# Altium PCB Cyber_VCM_Board.PcbDoc
Units mil, origin at the board's own origin, x right, y up, seen from the top; angles counter-clockwise.
Board outline 1775 x 2050 mil, 4 copper layers (Top Layer, GND02, PWR03, Bottom Layer), stack 74.148 mil thick; 109 components, 90 nets, 529 pads, 159 vias.
Unrouted connection lines stored in the file: 27.
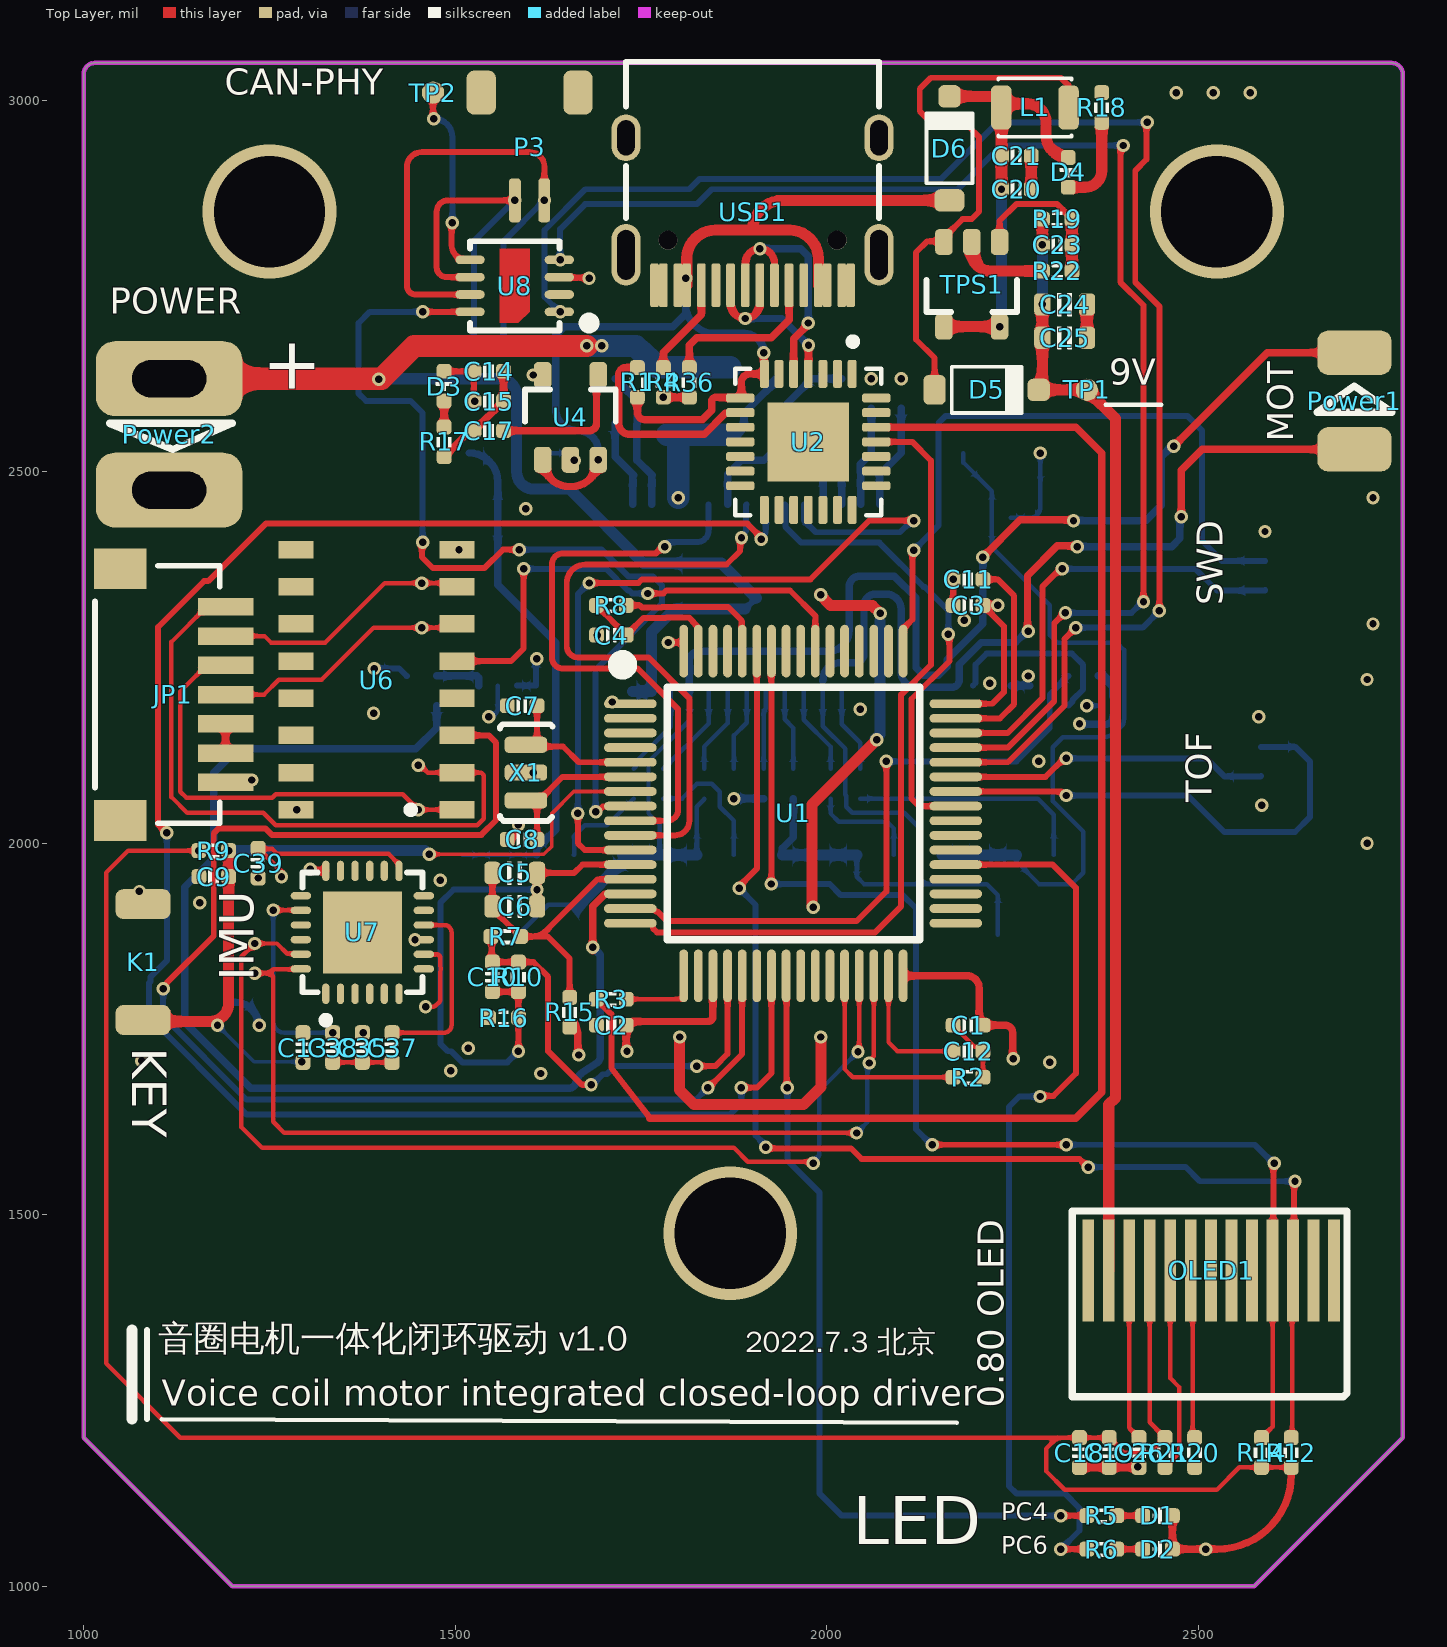
[diagram p0: Top Layer view]
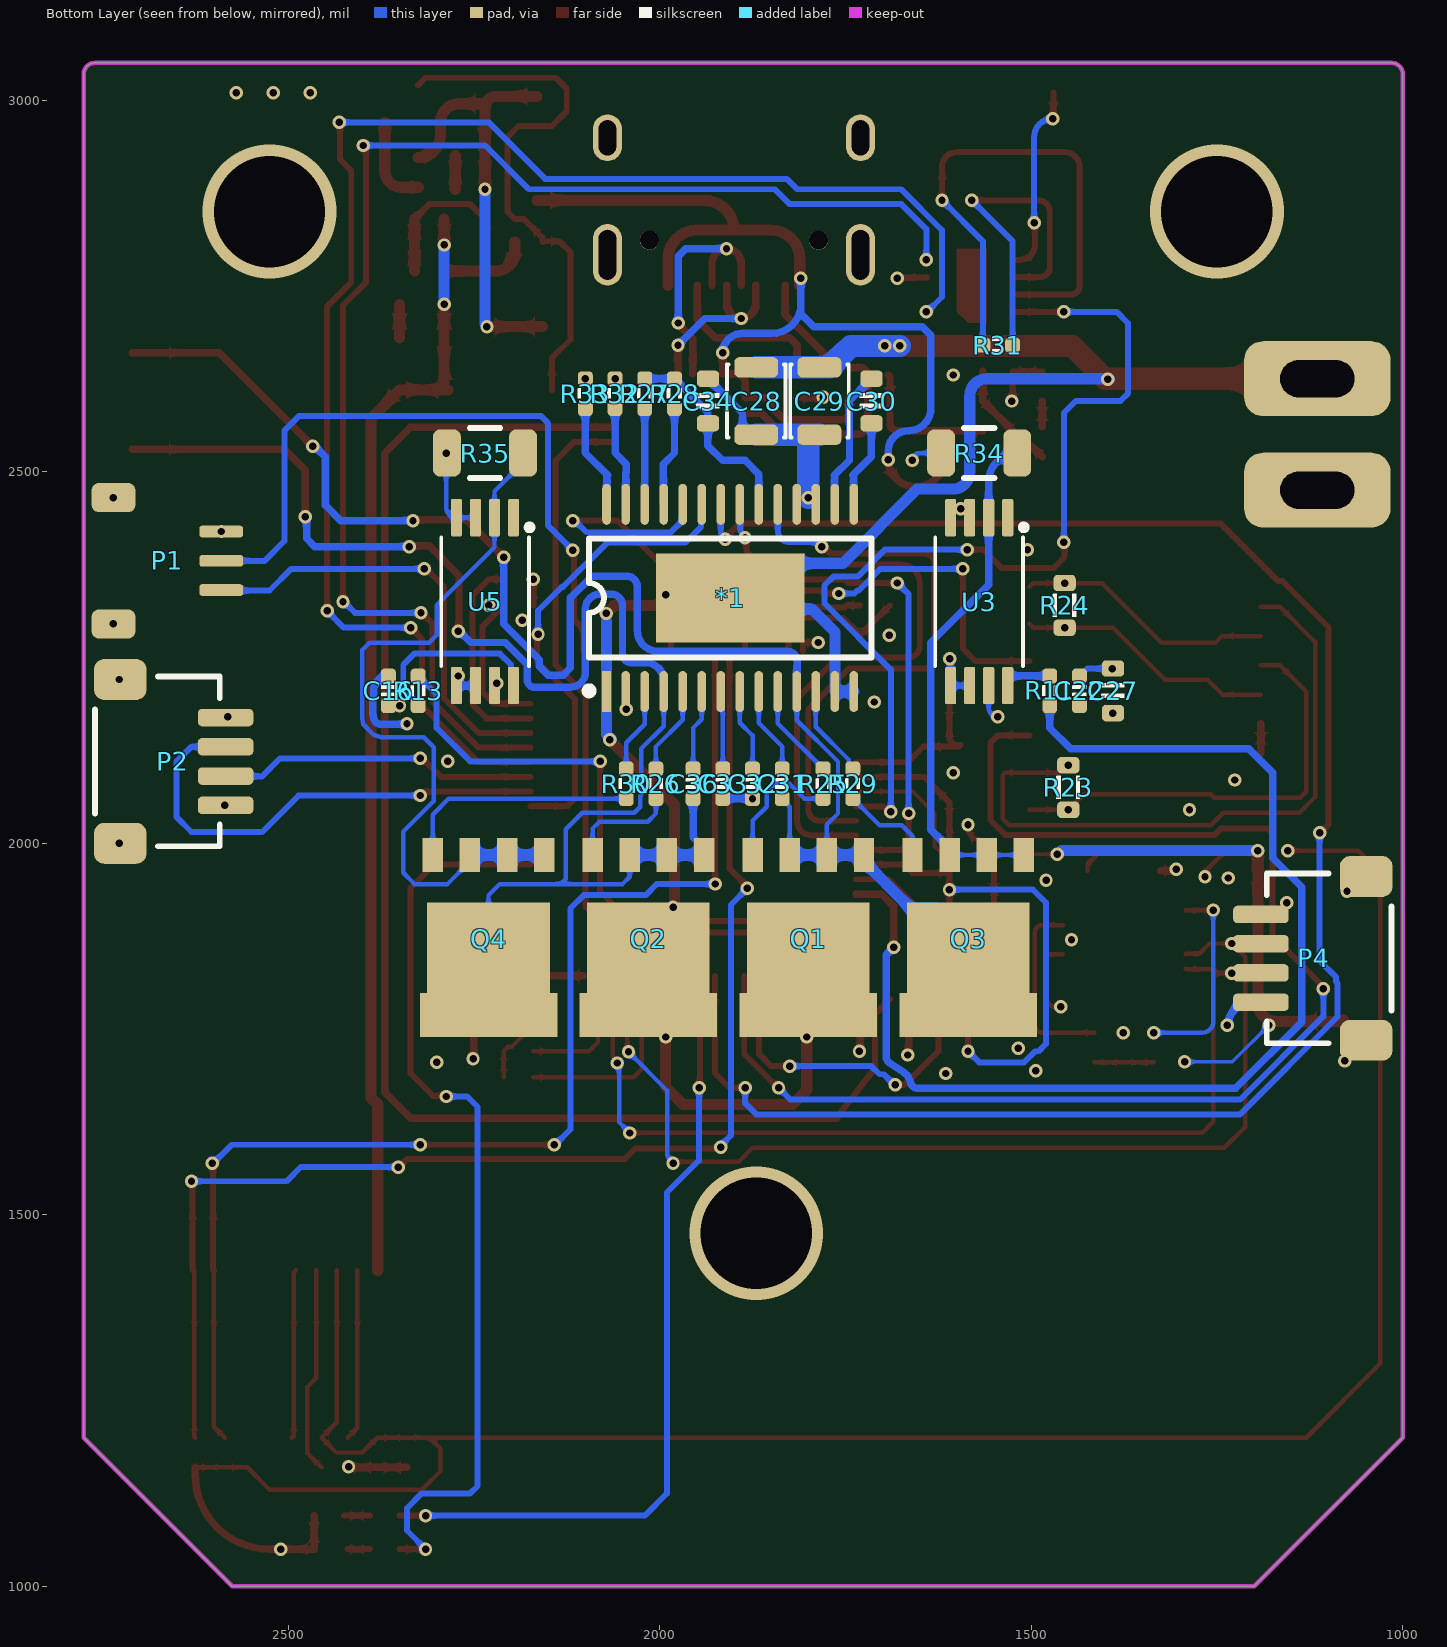
[diagram p1: Bottom Layer view, seen from below]
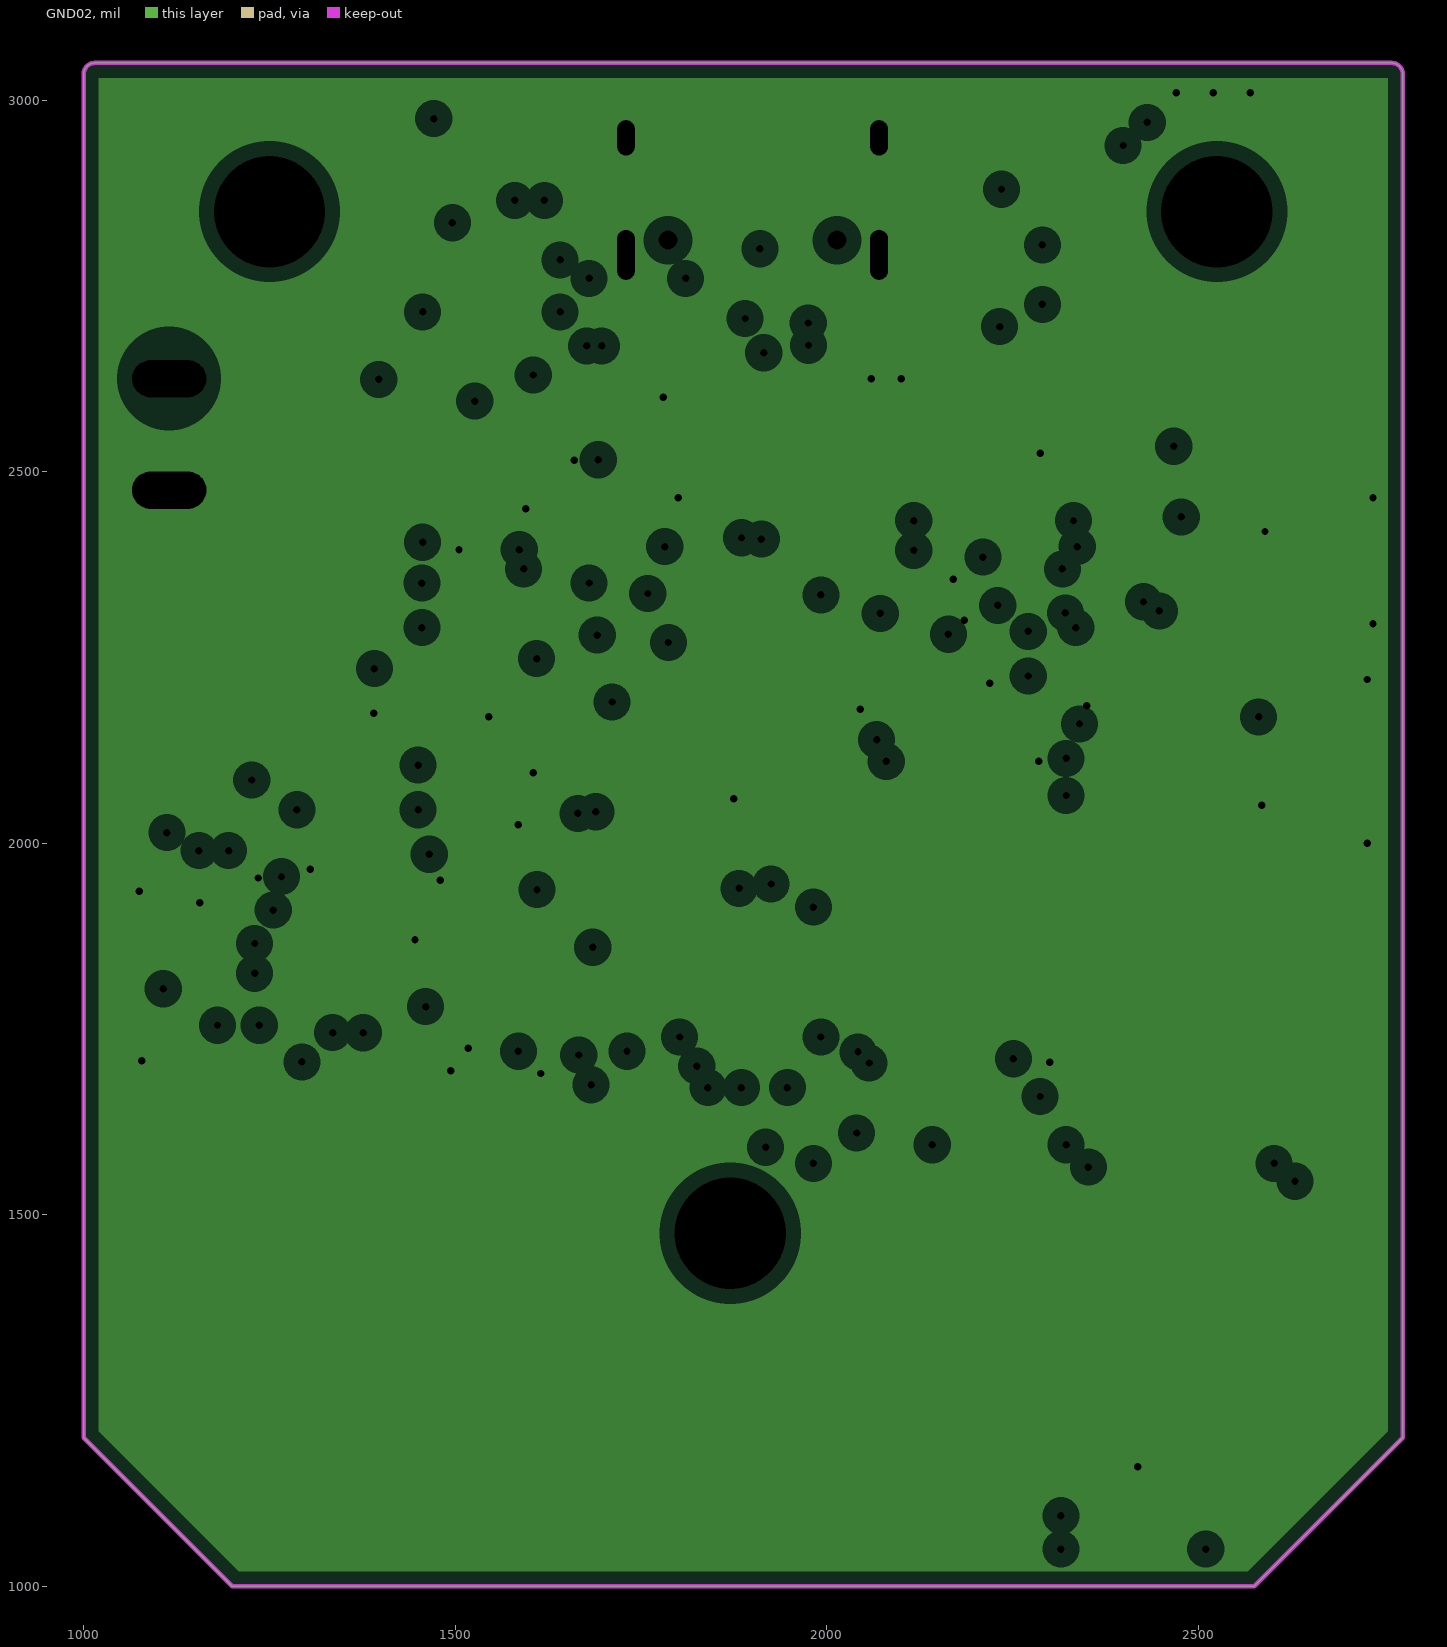
[diagram p2: GND02, clearances drawn from the general rule]
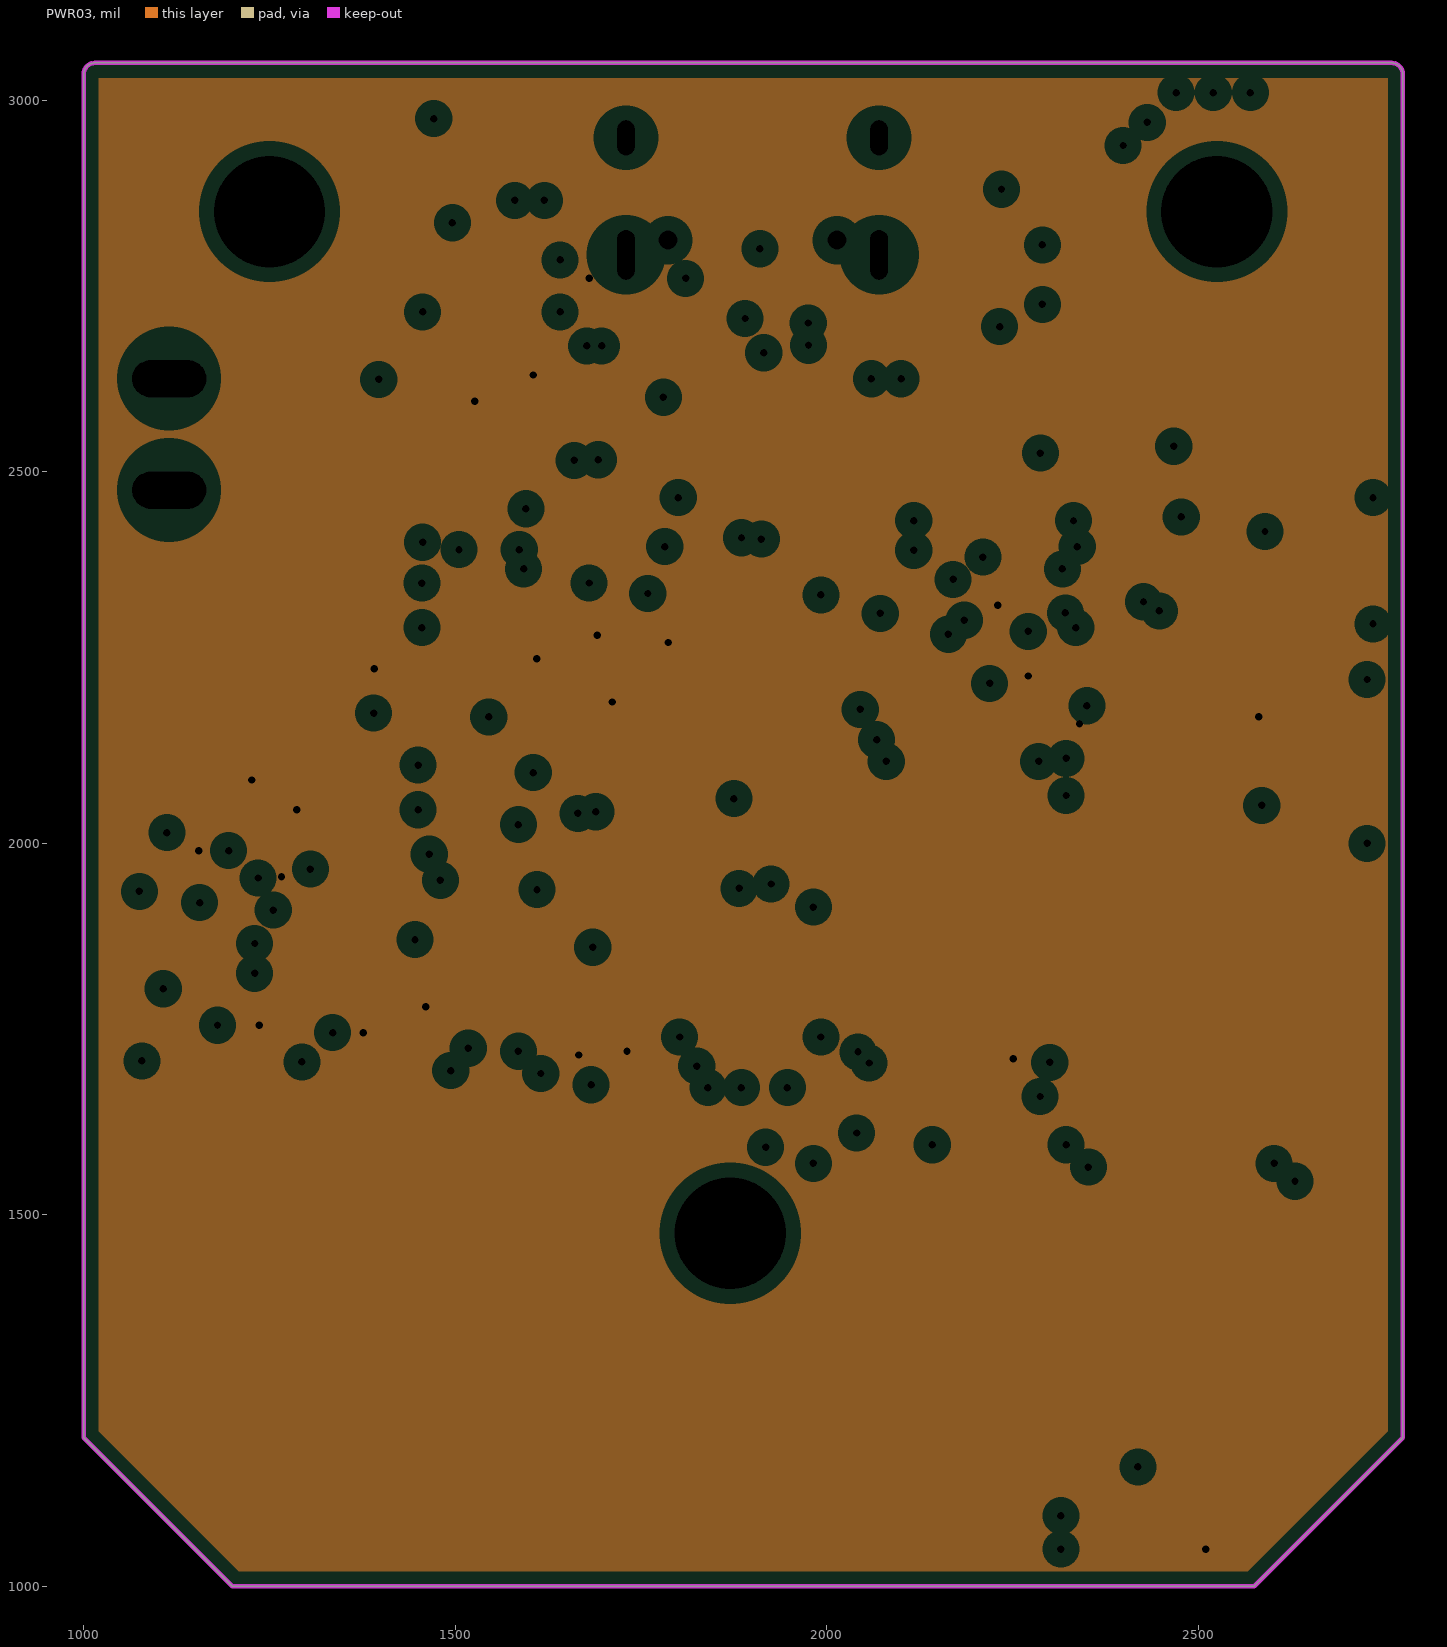
[diagram p3: PWR03, clearances drawn from the general rule]
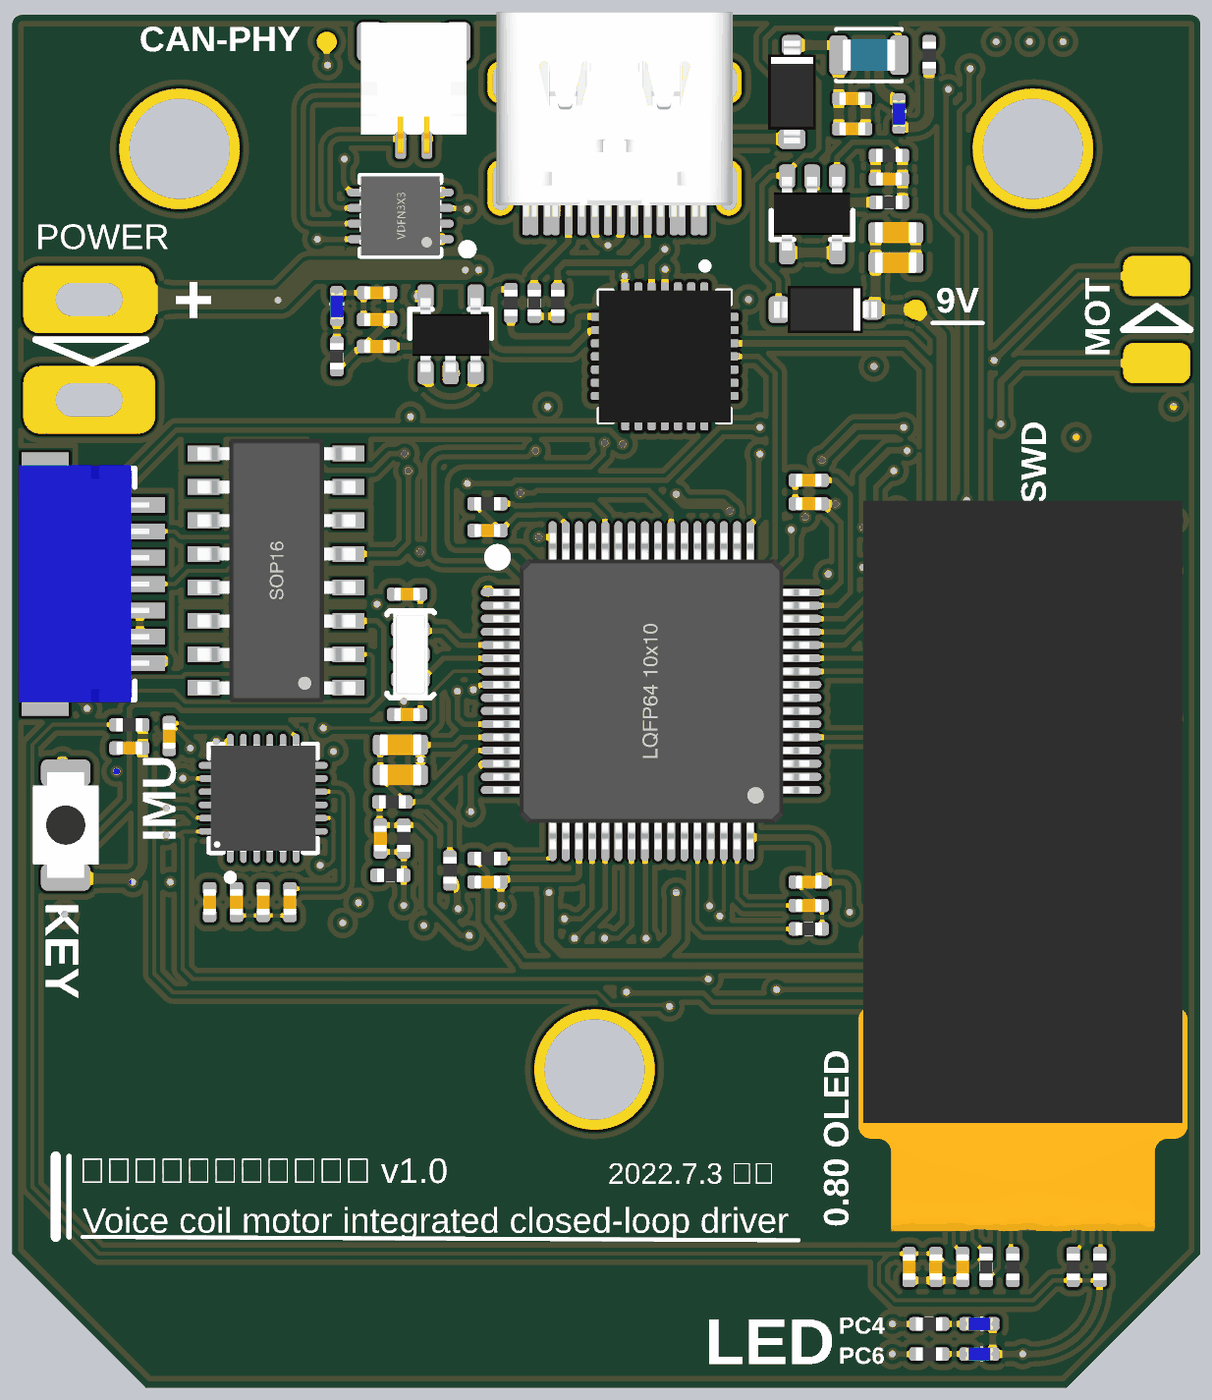
[diagram p4: 3D render of the assembled board from above, using the file's embedded part models]
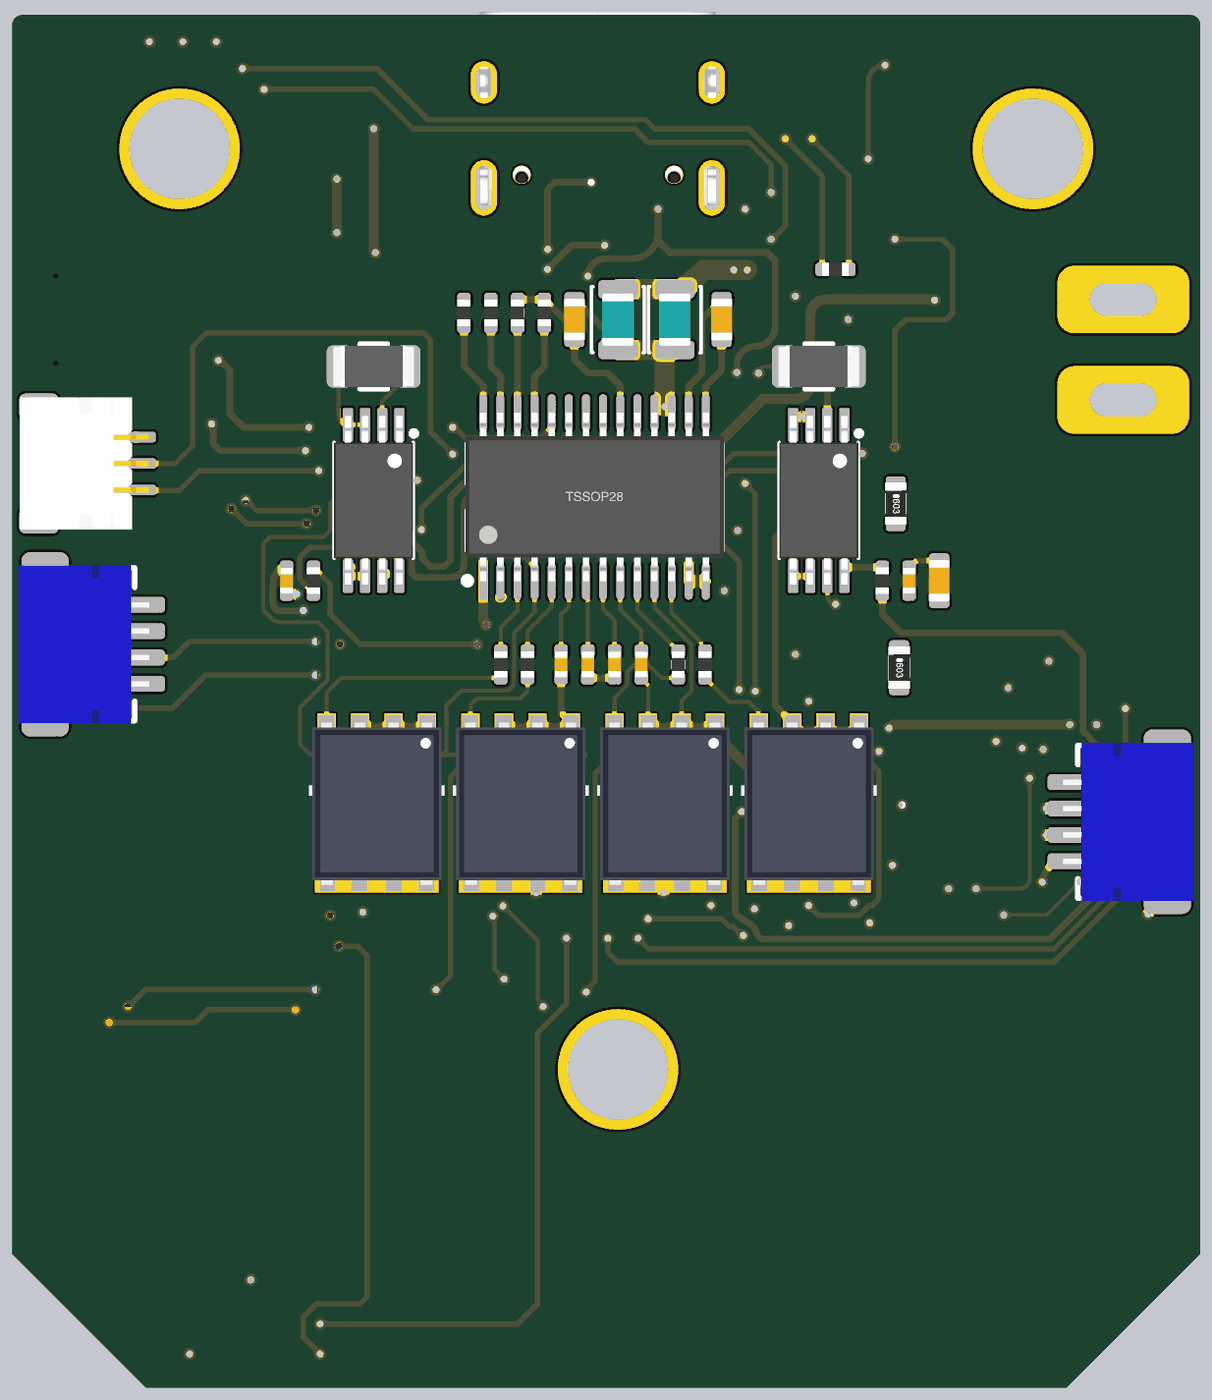
[diagram p5: 3D render of the assembled board from below, using the file's embedded part models]

## Layer stack, top to bottom
Top Solder: solder mask 0.4, Solder Resist, Dk 3.5
Top Layer: signal copper 1.4
Dielectric 2: prepreg 2.8, PP-006, Dk 4.1
GND02: plane copper 1.378, net IS_B
Dielectric 1: dielectric 62.9921, FR-4, Dk 4.8
PWR03: plane copper 1.378, net 3V3
Dielectric 3: prepreg 2.8, PP-006, Dk 4.1
Bottom Layer: signal copper 1.4
Bottom Solder: solder mask 0.4, Solder Resist, Dk 3.5

## Board outline
1000,1200 1000,3035 cw(c1015,3035) 1015,3050 2760,3050 cw(c2760,3035) 2775,3035 2775,1200 2575,1000 1200,1000

## Design rules (kind name [scope] priority, off if disabled: settings)
Clearance [All] p1: gap=6 ignorepadtopadclearanceinfootprint=FALSE
PlaneClearance [All] p1: clearance=20
PlaneConnect [All] p1: planeconnectstyle=Direct reliefexpansion=20 reliefentries=4 reliefconductorwidth=10 reliefairgap=10
PolygonConnect [All] p1: connectstyle=Direct reliefconductorwidth=10 reliefentries=4 polygonreliefangle="90 Angle" airgapwidth=10
RoutingVias [All] p1: holewidth=28 width=50 viastyle="Through Hole" minholewidth=28 minwidth=50 maxholewidth=28 maxwidth=50
SolderMaskExpansion [All] p1: expansion=4 istentingtop=FALSE
Width [All] p1: maxlimit=50 minlimit=4 preferedwidth=8
28 further rules are at their usual default settings.

## Components (designator, comment, footprint, x,y, rotation, side; value= is the part's Value field where it differs from the comment)
*1 "A3941" TSSOP28_n 1905,2330 r90 bottom
C1 "0.1uF" CAP_0402 2190,1755 r0 top value=0.1u
C2 "0.1uF" CAP_0402 1710,1755 r0 top value=0.1u
C3 "0.1uF" CAP_0402 2190,2320 r0 top value=0.1u
C4 "0.1uF" CAP_0402 1710,2280 r180 top value=0.1u
C5 "0.1uF" 0603-CAP 1580,1960 r180 top value=0.1u
C6 "0.1uF" 0603-CAP 1580,1915 r180 top value=0.1u
C7 "22pF" CAP_0402 1590,2185 r0 top value=0.1u
C8 "22pF" CAP_0402 1590,2005 r0 top value=0.1u
C9 "0.1uF" CAP_0402 1175,1955 r0 top value=0.1u
C10 "10uF" CAP_0402 1550,1820 r90 top value=0.1u
C11 "2.2uF" CAP_0402 2190,2355 r0 top value=0.1u
C12 "2.2uF" CAP_0402 2190,1720 r180 top value=0.1u
C13 "0.1uF" CAP_0402 1295,1725 r90 top value=0.1u
C14 "0.1uF" CAP_0402 1545,2635 r180 top value=0.1u
C15 "10uF" CAP_0402 1545,2595 r180 top value=0.1u
C16 "0.1uF" CAP_0402 2365,2205 r90 bottom value=0.1u
C17 "10nF" CAP_0402 1545,2555 r180 top value=0.1u
C18 "0.1uF" CAP_0402 2340,1180 r90 top value=0.1u
C19 "10uF" CAP_0402 2380,1180 r90 top value=0.1u
C20 "0.1uF" CAP_0402 2255,2880 r180 top value=0.1u
C21 "0.1uF" CAP_0402 2255,2925 r180 top value=0.1u
C22 "0.1uF" CAP_0402 1435,2205 r90 bottom value=0.1u
C23 "220pF" CAP_0402 2310,2805 r180 top value=0.1u
C24 "0.1uF" 0603-CAP 2320,2725 r180 top value=0.1u
C25 "10uF" 0603-CAP 2320,2680 r180 top value=0.1u
C26 "10uF" CAP_0402 2420,1180 r90 top value=0.1u
C27 "0.1uF" 0603-CAP 1390,2205 r90 bottom value=0.1u
C28 "10uF" 2520-L 1870,2595 r90 bottom value=0.1u
C29 "0.1uF" 2520-L 1785,2595 r90 bottom value=0.1u
C30 "0.1uF" 0603-CAP 1715,2595 r270 bottom value=0.1u
C31 "0.1uF" CAP_0402 1835,2080 r270 bottom value=0.1u
C32 "0.1uF" CAP_0402 1875,2080 r90 bottom value=0.1u
C33 "0.1uF" CAP_0402 1915,2080 r90 bottom value=0.1u
C34 "0.1uF" 0603-CAP 1935,2595 r270 bottom value=0.1u
C35 "10nF" CAP_0402 1375,1725 r270 top value=0.1u
C36 "0.1uF" CAP_0402 1955,2080 r90 bottom value=0.1u
C37 "0.1uF" CAP_0402 1415,1725 r270 top value=0.1u
C38 "2.2nF" CAP_0402 1335,1725 r90 top value=0.1u
C39 "0.1uF" CAP_0402 1234.69,1973.09 r90 top value=0.1u
D1 "color?" LED_0402_BLUE 2445,1095 r180 top
D2 "color?" LED_0402_BLUE 2445,1050 r180 top
D3 "color?" LED_0402_BLUE 1485,2615 r270 top
D4 "color?" LED_0402_BLUE 2324.93,2902.63 r270 top
D5 "二极管-5819W" SOD-123 2215,2610 r0 top
D6 "二极管-5819W" SOD-123 2165,2935 r90 top
JP1 "SH1.0-7P" SH1.0-7P-L 1120,2200 r270 top
K1 "TACT 2P" ButtonTACT_3x4x2_180 1080,1840 r90 top value=3x4
L1 "2.2uF" 2520-L 2280,2990 r0 top
OLED1 "OLED12880" OLED12880 2500,1735 r90 top
P1 "SH1.0-3P" SH1.0-3P 2590,2380 r270 bottom
P2 "TOF USART1" SH1.0-4P 2655,2110 r270 bottom
P3 "SH1.0-2P" SH1.0-2P 1600,2865 r180 top
P4 "SH1.0-4P" SH1.0-4P 1120,1845 r90 bottom
Power1 "电源" 音圈电机电源接口 2860,2410 r90 top
Power2 "电源" TX60电源 1120,2550 r270 top
Q1 "NTMFS4935NT1G" SO8FL 1800,1876.81 r0 bottom
Q2 "NTMFS4935NT1G" SO8FL 2015.28,1876.81 r0 bottom
Q3 "NTMFS4935NT1G" SO8FL 1584.72,1876.81 r0 bottom
Q4 "NTMFS4935NT1G" SO8FL 2230.28,1876.81 r0 bottom
R1 "10K" RES_0402 1745,2620 r90 top value=22R
R2 "10K" RES_0402 2190,1685 r180 top value=22R
R3 "200" RES_0402 1710,1790 r180 top value=22R
R4 "5.1K" RES_0402 1780,2620 r270 top value=22R
R5 "2K" RES_0402 2370,1095 r180 top value=22R
R6 "2K" RES_0402 2370,1050 r180 top value=22R
R7 "NCP15XH103F03RC" RES_0402 1567.91,1874.39 r0 top value=10k
R8 "10K" RES_0402 1710,2320 r0 top value=22R
R9 "10K" RES_0402 1175,1990 r0 top value=22R
R10 "3.3K" RES_0402 1585,1820 r90 top value=22R
R11 "0R" RES_0402 1475,2205 r270 bottom value=22R
R12 "10K" RES_0402 2625,1180 r270 top value=22R
R13 "0R" RES_0402 2325,2205 r90 bottom value=22R
R14 "10K" RES_0402 2585,1180 r270 top value=22R
R15 "0R" RES_0402 1653.99,1772.42 r270 top value=22R
R16 "0" RES_0402 1565,1765 r180 top value=22R
R17 "1.5K" RES_0402 1485,2540 r270 top value=22R
R18 "2K" RES_0402 2370,2990 r90 top value=22R
R19 "10K" RES_0402 2310,2840 r180 top value=22R
R20 "560K" RES_0402 2495,1180 r270 top value=22R
R21 "4.7K" RES_0402 2455,1180 r90 top value=22R
R22 "10K" RES_0402 2310,2770 r0 top value=22R
R23 "120R" RES_0603 1450,2075 r270 bottom value=22R
R24 "120R" RES_0603 1455,2320 r270 bottom value=22R
R25 "22R" RES_0402 1780,2080 r270 bottom
R26 "22R" RES_0402 2005,2080 r270 bottom
R27 "22R" RES_0402 2020,2605 r90 bottom
R28 "22R" RES_0402 1980,2605 r90 bottom
R29 "22R" RES_0402 1740,2080 r270 bottom
R30 "22R" RES_0402 2045,2080 r270 bottom
R31 "120R" RES_0402 1545,2670 r0 bottom value=22R
R32 "22R" RES_0402 2060,2605 r270 bottom
R33 "22R" RES_0402 2100,2605 r270 bottom
R34 "0.01R" 1206-RES 1570,2525 r180 bottom value=22R
R35 "0.01R" 1206-RES 2235,2525 r180 bottom value=22R
R36 "5.1K" RES_0402 1815,2620 r270 top value=22R
TP1 "TESTPOINT" TP-R30 2350,2610 r90 top
TP2 "TESTPOINT" TP-R30 1470,3010 r90 top
TPS1 "TPS61040DBV" SOT23-5 2195,2750 r270 top
U1 "STM32F405RGT6" 主控芯片LQFP64-10*10 1955,2040 r270 top
U2 "CP2102" QFN-28 1975,2540 r270 top value=Value
U3 "INA240A2PWR" "SOP65 P640X120-8N" 1570,2325 r270 bottom
U4 "LP2992 3V3" SOT23-5 1655,2575 r90 top
U5 "INA240A2PWR" "SOP65 P640X120-8N" 2235,2325 r270 bottom
U6 "AM26C32" SOP16 1395,2215 r90 top
U7 "MPU6050" QFN-24 1375,1880 r90 top
U8 "SIT1050TK" DFN3x3-8 1580,2750 r90 top
USB1 "Type-C" Type-C-TOP 1900,2850 r90 top
X1 "8MHz" 晶振-3P 1595,2095 r270 top
